# KiCad board TPS.kicad_pcb (continued)
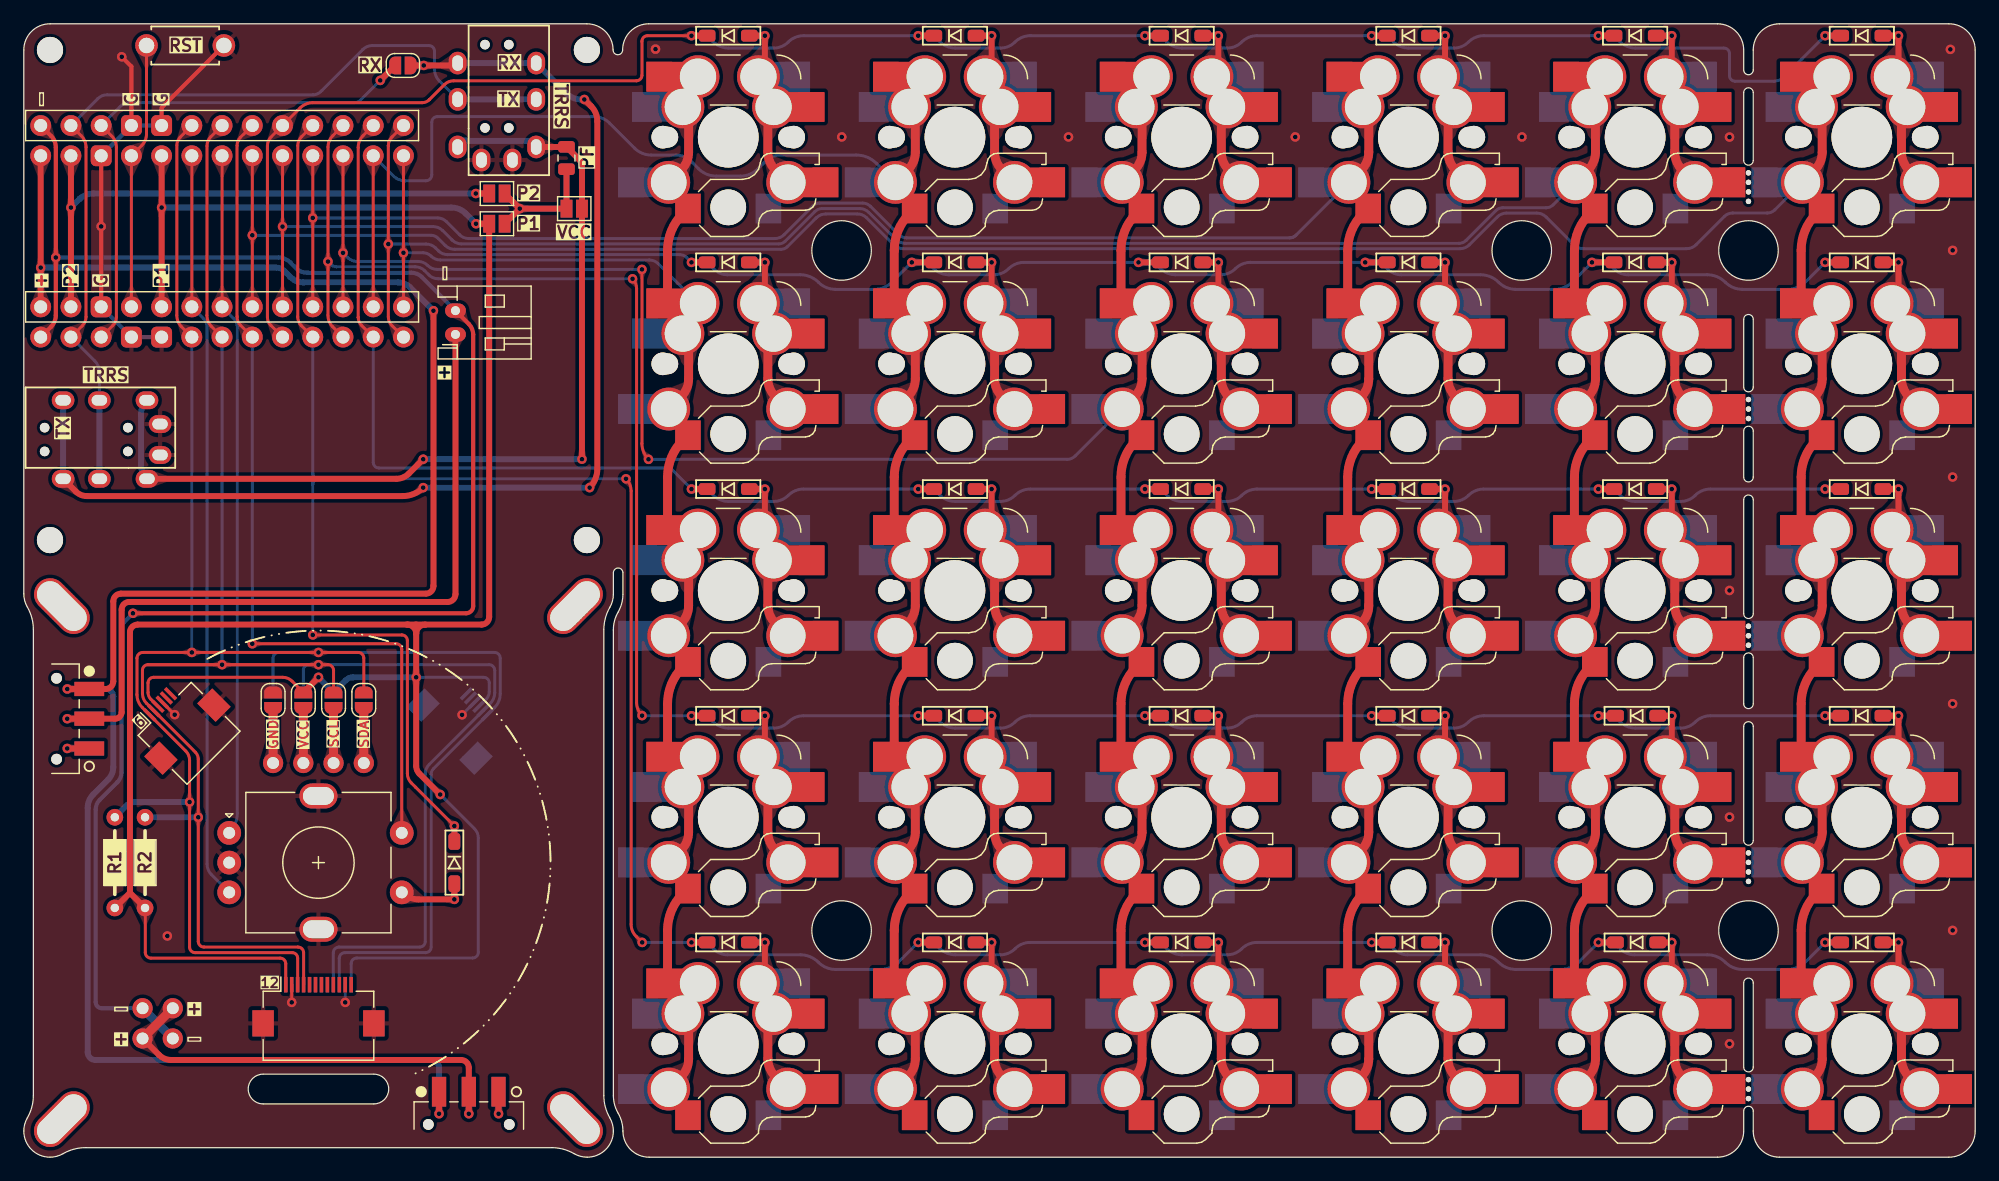
[diagram p0: board, top side]
## Routing (per net, layer and track width the routed paths; a pad name or vN(x,y) marks a point on that pad's centre or on a via; arc(x,y) is an arc through that point)
+3V3: length 229.9
  Top w0.25: J5.3 10.67,38.49 arc(10.5,38.75) 10.44,39.05 10.44,39.86 arc(10.58,40.19) 10.91,40.33 21.76,40.33 arc(22.18,40.25) 22.54,40.01 JP7.2 ; J2.1 22.01,16.26 arc(21.87,16.59) 21.54,16.73 10.68,16.73 arc(10.35,16.87) 10.21,17.2 10.21,20.95
  Top w0.5: 32.97,44 v1(32.97,40.33) 32.97,32.88 arc(33.04,32.53) 33.24,32.23 v1(34.99,30.48) ; 32.97,44 32.97,44.76 ; 32.97,44 arc(32.75,44.54) 32.21,44.76 ; 32.97,44 arc(33.19,44.54) 33.73,44.76 ; 8.92,22.22 8.92,44.11 arc(9.11,44.57) 9.57,44.76 32.21,44.76 ; 8.92,22.22 R1.1 ; 8.92,22.22 R2.1 ; 32.21,44.76 32.97,44.76 ; v1(37.99,78.45) JP1.2 39.1,45.4 arc(38.91,44.95) 38.46,44.76 33.73,44.76 ; JP7.2 v1(24.76,40.33) ; 32.97,44.76 33.73,44.76 ; U1.22 v1(11.58,79.81) U1.22
  Bottom w0.25: v1(34.99,30.48) 37.87,27.6 arc(38.11,27.25) 38.19,26.83 38.19,17.22 arc(38.05,16.88) 37.71,16.74 27.98,16.74 arc(27.65,16.6) 27.51,16.27 J3.1 ; J6.3 38.85,38.49 arc(39.04,38.78) 39.11,39.13 39.11,39.86 arc(38.97,40.19) 38.64,40.33 v1(32.97,40.33)
  Bottom w0.5: 37.99,78.45 v1(37.99,78.45) ; v1(37.99,78.45) JP1.2 ; v1(37.99,78.45) 37.13,79.31 arc(36.58,79.68) 35.93,79.81 v1(11.58,79.81) ; v1(32.97,40.33) 27.67,40.33 arc(27.33,40.26) 27.04,40.07 JP10.2 24.76,40.32 v1(24.76,40.33)
GND: length 45.9
  Top w0.25: J5.4 v1(12.68,37.19) ; J2.2 v1(22.51,13.01)
  Top w0.35: U1.5 11.58,88.2 SW1.1 ; U1.24 v1(6.5,78.22) U1.24 ; v1(8.23,92.48) 9.04,91.67 U1.4
  Bottom w0.25: J3.2 v1(27.01,13.01) ; J6.4 v1(36.82,37.18)
  Bottom w0.35: U1.24 U1.4 U1.5 ; U1.5 U1.4 U1.24
  vias: v1(12.06,18.59) v1(53.08,93.12) v1(68.73,85.74) v1(87.78,85.74) v1(106.83,85.74) v1(125.88,85.74) v1(143.32,85.73) v1(143.32,47.63) v1(143.32,28.58) v1(143.32,9.53) v1(161.88,93.1) v1(162.07,76.21) v1(162.07,57.16) v1(162.07,38.11) v1(162.07,19.06)
VCC: length 21.7
  Top w0.5: v1(41.67,79.72) JP1.1 ; v1(41.67,79.72) JP2.1 ; v1(41.67,79.72) JP15.1 F2.1
  Bottom w0.5: v1(41.67,79.72) JP1.1 ; v1(41.67,79.72) JP2.1 ; v1(41.67,79.72) 41.72,79.67 ; v1(41.67,79.72) JP15.1 F2.1
BAT+: length 179.6
  Top w0.5: v1(3.65,39.35) SW2.1 6.88,39.35 arc(7.33,39.54) 7.52,39.99 7.52,46.71 arc(7.71,47.17) 8.17,47.36 33.78,47.36 arc(34.23,47.55) 34.42,48 v1(34.42,71.14) ; v1(34.89,3.65) SW3.1 ; U1.26 v1(1.42,74.76) U1.26
  Bottom w0.5: v1(3.65,39.35) SW2.1 6.88,39.35 arc(7.33,39.16) 7.52,38.71 7.52,32.77 arc(7.41,32.22) 7.09,31.75 5.83,30.48 arc(5.49,29.97) 5.37,29.37 5.37,8.82 arc(5.56,8.36) 6.02,8.17 34.24,8.17 arc(34.7,7.98) 34.89,7.52 SW3.1 v1(34.89,3.65) ; v1(1.42,74.76) 21.21,74.76 arc(21.58,74.69) 21.89,74.48 22.41,73.96 arc(22.9,73.63) 23.47,73.52 31.45,73.52 arc(31.99,73.41) 32.46,73.1 v1(34.42,71.14)
BAT-: length 150
  Top w0.35: J4.2 37.39,70.03 arc(37.66,69.62) 37.76,69.13 37.76,46.31 arc(37.58,45.89) 37.16,45.71 v1(9.17,45.71) ; U1.1 2.29,69.79 arc(2.59,70.23) 2.69,70.75 v1(2.69,75.61) 2.69,84.86 arc(2.58,85.39) 2.29,85.83 U1.1
  Bottom w0.35: v1(9.17,45.71) 8.46,45 arc(8.28,44.72) 8.21,44.39 8.21,32.34 arc(8.12,31.9) 7.87,31.52 6.37,30.02 arc(6.13,29.65) 6.04,29.22 6.04,13.03 arc(6.19,12.67) 6.55,12.52 J8.1 ; 36.27,71.15 J4.2 33.45,73.97 arc(33.05,74.24) 32.57,74.33 23.82,74.33 arc(23.3,74.43) 22.86,74.73 22.38,75.21 arc(21.93,75.51) 21.41,75.61 v1(2.69,75.61)
  Bottom w0.75: J8.1 J7.2
col0: length 218.8
  Top w0.25: U1.19 v1(19.2,77.48) U1.19
  Top w0.75: K29.1 150.61,41.18 arc(149.67,39.77) 149.34,38.11 K30.1 ; K28.1 149.34,76.21 arc(149.67,77.87) 150.61,79.28 K27.1 ; K31.1 149.34,19.06 arc(149.67,20.72) 150.61,22.13 K30.1 ; K27.1 150.5,82.98 arc(150.95,83.66) 151.11,84.46 151.11,87.11 arc(150.98,87.73) K27.1 ; K31.1 150.5,6.78 arc(150.95,7.46) 151.11,8.26 151.11,10.91 arc(150.98,11.53) K31.1 ; K29.1 149.34,57.16 arc(149.67,58.82) 150.61,60.23 ; K29.1 150.5,44.88 arc(150.95,45.56) 151.11,46.36 151.11,49.01 arc(150.98,49.63) K29.1 ; K30.1 150.5,25.83 arc(150.95,26.51) 151.11,27.31 151.11,29.96 arc(150.98,30.58) 150.63,31.11 ; K28.1 150.5,63.93 arc(150.95,64.61) 151.11,65.41 151.11,68.06 arc(150.98,68.68) K28.1
  Bottom w0.25: K27.1 147.12,79.6 arc(146.84,79.42) 146.51,79.35 143.59,79.35 arc(143.21,79.27) 142.89,79.06 140.51,76.68 arc(140.14,76.44) 139.71,76.35 131.05,76.35 arc(130.61,76.44) 130.25,76.68 127.91,79.01 arc(127.55,79.26) 127.13,79.34 124.58,79.34 arc(124.16,79.26) 123.81,79.02 121.46,76.67 arc(121.1,76.43) 120.69,76.35 73.87,76.35 arc(73.44,76.43) 73.08,76.68 70.81,78.95 arc(70.45,79.19) 70.04,79.27 67.39,79.27 arc(66.95,79.18) 66.57,78.93 64.16,76.52 arc(63.92,76.36) 63.63,76.3 36.19,76.3 arc(35.76,76.38) 35.4,76.63 34.79,77.24 arc(34.53,77.42) 34.22,77.48 v1(19.2,77.48)
col1: length 194.8
  Top w0.25: U1.18 v1(21.74,78.21) U1.18
  Top w0.75: K24.1 130.29,38.11 arc(130.62,39.77) 131.56,41.18 K23.1 ; K24.1 131.45,25.83 arc(131.9,26.51) 132.06,27.31 132.06,29.96 arc(131.93,30.58) 131.58,31.11 ; K22.1 131.45,63.93 arc(131.9,64.61) 132.06,65.41 132.06,68.06 arc(131.93,68.68) K22.1 ; K21.1 131.56,79.28 arc(130.62,77.87) 130.29,76.21 K22.1 ; K26.1 131.45,6.78 arc(131.9,7.46) 132.06,8.26 132.06,10.91 arc(131.93,11.53) K26.1 ; K23.1 131.45,44.88 arc(131.9,45.56) 132.06,46.36 132.06,49.01 arc(131.93,49.63) K23.1 ; K21.1 131.45,82.98 arc(131.9,83.66) 132.06,84.46 132.06,87.11 arc(131.93,87.73) K21.1 ; K26.1 130.29,19.06 arc(130.62,20.72) 131.56,22.13 K24.1 ; K23.1 130.29,57.16 arc(130.62,58.82) 131.56,60.23
  Bottom w0.25: K21.1 128.49,80.03 arc(128.23,79.85) 127.92,79.79 124.26,79.79 arc(123.95,79.73) 123.7,79.56 121.18,77.04 arc(120.91,76.86) 120.6,76.8 74.07,76.8 arc(73.63,76.89) 73.27,77.13 70.98,79.42 arc(70.65,79.64) 70.25,79.72 67.06,79.72 arc(66.74,79.66) 66.48,79.48 63.98,76.98 arc(63.72,76.81) 63.43,76.75 36.79,76.75 arc(36.35,76.84) 35.99,77.08 35.19,77.88 arc(34.83,78.12) 34.4,78.21 v1(21.74,78.21)
col2: length 173.3
  Top w0.25: U1.17 v1(24.28,78.94) U1.17
  Top w0.75: K17.1 112.4,63.93 arc(112.85,64.61) 113.01,65.41 113.01,68.06 arc(112.88,68.68) K17.1 ; K20.1 111.24,19.06 arc(111.57,20.72) 112.51,22.13 K19.1 ; K20.1 112.4,6.78 arc(112.85,7.46) 113.01,8.26 113.01,10.91 arc(112.88,11.53) K20.1 ; K19.1 111.24,38.11 arc(111.57,39.77) 112.51,41.18 K18.1 ; K16.1 112.4,82.98 arc(112.85,83.66) 113.01,84.46 113.01,87.11 arc(112.88,87.73) K16.1 ; K16.1 112.51,79.28 arc(111.57,77.87) 111.24,76.21 K17.1 ; K19.1 112.4,25.83 arc(112.85,26.51) 113.01,27.31 113.01,29.96 arc(112.88,30.58) 112.53,31.11 ; K18.1 112.4,44.88 arc(112.85,45.56) 113.01,46.36 113.01,49.01 arc(112.88,49.63) K18.1 ; K18.1 111.24,57.16 arc(111.57,58.82) 112.51,60.23
  Bottom w0.25: v1(24.28,78.94) 34.76,78.94 arc(35.17,78.86) 35.52,78.62 36.61,77.53 arc(36.97,77.28) 37.4,77.2 63.1,77.2 arc(63.52,77.28) 63.88,77.53 66.31,79.95 arc(66.56,80.12) 66.87,80.18 70.49,80.18 arc(70.84,80.11) 71.14,79.91 73.52,77.53 arc(73.82,77.33) 74.17,77.26 106.33,77.26 106.37,77.26 106.44,77.27 106.51,77.28 106.58,77.3 106.65,77.32 106.71,77.35 106.78,77.39 106.84,77.43 106.89,77.48 106.92,77.5 K16.1
col3: length 164.6
  Top w0.25: 26.82,71.46 v1(26.82,76) 26.82,84.16 ; v1(51.94,74.61) 51.94,59.98 arc(52.08,59.26) v1(52.49,58.65)
  Top w0.75: K15.1 92.19,19.06 arc(92.52,20.72) 93.46,22.13 K14.1 ; K11.1 93.35,82.98 arc(93.8,83.66) 93.96,84.46 93.96,87.11 arc(93.83,87.73) K11.1 ; K11.1 93.46,79.28 arc(92.52,77.87) 92.19,76.21 K12.1 ; K14.1 93.35,25.83 arc(93.8,26.51) 93.96,27.31 93.96,29.96 arc(93.83,30.58) 93.48,31.11 ; K14.1 92.19,38.11 arc(92.52,39.77) 93.46,41.18 K13.1 ; K15.1 93.35,6.78 arc(93.8,7.46) 93.96,8.26 93.96,10.91 arc(93.83,11.53) K15.1 ; K13.1 92.19,57.16 arc(92.52,58.82) 93.46,60.23 ; K12.1 93.35,63.93 arc(93.8,64.61) 93.96,65.41 93.96,68.06 arc(93.83,68.68) K12.1 ; K13.1 93.35,44.88 arc(93.8,45.56) 93.96,46.36 93.96,49.01 arc(93.83,49.63) K13.1
  Bottom w0.25: v1(26.82,76) 27.22,75.6 arc(27.57,75.36) 27.99,75.28 33.13,75.28 arc(33.55,75.2) 33.91,74.95 arc(34.3,74.7) 34.75,74.61 v1(51.94,74.61) ; K12.1 88.34,58.92 arc(88.03,58.72) 87.68,58.65 v1(52.49,58.65)
col4: length 134.2
  Top w0.25: U1.15 U1.15
  Top w0.75: K7.1 74.3,63.93 arc(74.75,64.61) 74.91,65.41 74.91,68.06 arc(74.78,68.68) K7.1 ; K8.1 74.3,44.88 arc(74.75,45.56) 74.91,46.36 74.91,49.01 arc(74.78,49.63) K8.1 ; K9.1 74.41,22.13 arc(73.47,20.72) 73.14,19.06 K10.1 ; K6.1 74.3,82.98 arc(74.75,83.66) 74.91,84.46 74.91,87.11 arc(74.78,87.73) K6.1 ; K8.1 73.14,57.16 arc(73.47,58.82) 74.41,60.23 ; K8.1 74.41,41.18 arc(73.47,39.77) 73.14,38.11 K9.1 ; K7.1 73.14,76.21 arc(73.47,77.87) 74.41,79.28 K6.1 ; K10.1 74.3,6.78 arc(74.75,7.46) 74.91,8.26 74.91,10.91 arc(74.78,11.53) K10.1 ; K9.1 74.3,25.83 arc(74.75,26.51) 74.91,27.31 74.91,29.96 arc(74.78,30.58) 74.43,31.11
  Bottom w0.25: U1.15 31.05,82.47 arc(31.5,82.17) 32.04,82.06 33.8,82.06 arc(34.14,82.2) 34.28,82.54 34.28,86.98 arc(34.42,87.31) 34.75,87.45 47.92,87.45 arc(48.61,87.31) 49.2,86.92 51.33,84.79 arc(51.96,84.37) 52.71,84.22 54.82,84.22 arc(55.48,84.09) 56.05,83.71 56.69,83.07 arc(57.38,82.61) 58.19,82.45 60.21,82.45 arc(61,82.61) 61.67,83.06 62.33,83.71 arc(62.89,84.09) 63.56,84.22 69.96,84.22 arc(70.87,84.04) 71.64,83.52 K6.1
col5: length 107.8
  Top w0.25: 31.9,84.16 U1.14 v1(31.9,76.01) U1.14
  Top w0.75: K3.1 55.25,44.88 arc(55.7,45.56) 55.86,46.36 55.86,49.01 arc(55.73,49.63) K3.1 ; K4.1 55.36,22.13 arc(54.42,20.72) 54.09,19.06 K5.1 ; K4.1 54.09,38.11 arc(54.42,39.77) 55.36,41.18 K3.1 ; K3.1 54.09,57.16 arc(54.42,58.82) 55.36,60.23 K2.1 ; K4.1 55.25,25.83 arc(55.7,26.51) 55.86,27.31 55.86,29.96 arc(55.73,30.58) 55.38,31.11 ; K2.1 55.25,63.93 arc(55.7,64.61) 55.86,65.41 55.86,68.06 arc(55.73,68.68) K2.1 ; K1.1 55.25,82.98 arc(55.7,83.66) 55.86,84.46 55.86,87.11 arc(55.73,87.73) K1.1 ; K5.1 55.25,6.78 arc(55.7,7.46) 55.86,8.26 55.86,10.91 arc(55.73,11.53) K5.1 ; K2.1 54.09,76.21 arc(54.42,77.87) 55.36,79.28
  Bottom w0.25: K2.1 53.32,75.09 arc(52.97,75.32) 52.56,75.4 35,75.4 arc(34.58,75.48) 34.23,75.72 arc(33.91,75.93) 33.53,76.01 v1(31.9,76.01)
col6: length 72.9
  Top w0.25: K25.S1 31.76,42.68 arc(31.62,43.01) 31.29,43.15 v1(19.2,43.15) 19.2,43.28 ; U1.8 18.22,69.9 arc(18,70.23) 17.92,70.62 17.92,85.02 arc(17.99,85.39) 18.2,85.7 U1.8
  Bottom w0.25: U1.8 v1(19.2,43.15)
N/A1: length 3.7
  Top w0.5: v1(3.65,34.35) SW2.3
  Bottom w0.5: SW2.3 v1(3.65,34.35)
N/A2: length 3.7
  Top w0.5: v1(39.89,3.65) SW3.3
  Bottom w0.5: v1(39.89,3.65) SW3.3
RAW: length 49.4
  Top w0.5: U1.25 v1(3.96,79.81) U1.25 ; v1(37.98,80.99) JP2.2
  Bottom w0.5: 39.08,80.99 v1(37.98,80.99) 5.85,80.99 arc(5.22,80.87) 4.68,80.53 3.96,79.81 v1(3.96,79.81)
row0: length 169.5
  Top w0.25: v1(56.1,94.25) 52.41,94.25 arc(52.08,94.11) 51.94,93.78 51.94,90.93 arc(51.8,90.6) 51.47,90.46 36.11,90.46 arc(35.69,90.38) 35.34,90.14 34.07,88.87 arc(33.79,88.68) 33.47,88.62 24.28,88.62 arc(23.71,88.51) 23.22,88.18 U1.9 20.78,85.74 arc(20.55,85.4) 20.47,84.99 20.47,70.6 arc(20.54,70.22) 20.76,69.9 U1.9
  Top w0.5: D21.1 v1(132.3,94.25) ; D6.1 v1(75.15,94.25) ; D27.1 v1(151.35,94.25) ; D11.1 v1(94.2,94.25) ; D16.1 v1(113.25,94.25) ; D1.1 v1(56.1,94.25)
  Bottom w0.25: v1(151.35,94.25) 147.86,90.76 arc(147.48,90.51) 147.04,90.42 143.8,90.42 arc(143.46,90.56) 143.32,90.9 143.32,92.74 arc(143.18,93.07) 142.85,93.21 135.41,93.21 arc(134.71,93.35) 134.12,93.75 D21.1 ; v1(94.2,94.25) 84.57,94.25 arc(83.88,94.11) 83.29,93.72 arc(82.72,93.34) 82.06,93.21 78.26,93.21 arc(77.56,93.35) 76.97,93.75 D6.1 ; D16.1 115.07,93.75 arc(115.66,93.35) 116.36,93.21 120.16,93.21 arc(120.82,93.34) 121.39,93.72 arc(121.98,94.11) 122.67,94.25 v1(132.3,94.25) ; D11.1 96.02,93.75 arc(96.61,93.35) 97.31,93.21 101.11,93.21 arc(101.77,93.34) 102.34,93.72 arc(102.93,94.11) 103.62,94.25 v1(113.25,94.25) ; D1.1 57.92,93.75 arc(58.51,93.35) 59.21,93.21 63.01,93.21 arc(63.67,93.34) 64.24,93.72 arc(64.83,94.11) 65.52,94.25 v1(75.15,94.25) ; 55.88,94.47 v1(56.1,94.25)
  Bottom w0.5: v1(94.2,94.25) D11.1 ; v1(113.25,94.25) D16.1 ; v1(75.15,94.25) D6.1 ; v1(151.35,94.25) D27.1 ; v1(132.3,94.25) D21.1 ; v1(56.1,94.25) D1.1
row1: length 155.1
  Top w0.25: U1.13 30.93,69.89 arc(30.71,70.22) 30.63,70.62 v1(30.63,76.74) 30.63,85 30.63,85 arc(30.71,85.4) 30.93,85.73 U1.13
  Top w0.5: 75.92,75.2 v1(74.61,75.2) ; 114.02,75.2 v1(112.71,75.2) ; 94.97,75.2 v1(93.66,75.2) ; D28.1 v1(151.35,75.2) ; D2.1 v1(56.1,75.2) ; 133.07,75.2 v1(131.76,75.2)
  Bottom w0.25: v1(30.63,76.74) 33.8,76.74 arc(34.23,76.65) 34.6,76.41 34.84,76.17 arc(35.19,75.93) 35.61,75.85 55.12,75.85 arc(55.42,75.79) 55.68,75.62 v1(56.1,75.2) ; 94.97,75.2 95.48,74.7 arc(96.07,74.3) 96.77,74.16 100.57,74.16 arc(101.23,74.29) 101.8,74.67 arc(102.39,75.06) 103.08,75.2 v1(112.71,75.2) ; 114.02,75.2 114.59,74.63 arc(115.11,74.28) 115.73,74.16 122.4,74.16 arc(123.22,74) 123.92,73.53 arc(124.58,73.09) 125.37,72.93 128.61,72.93 arc(129.42,73.09) 130.11,73.56 v1(131.76,75.2) ; 133.07,75.2 133.64,74.63 arc(134.16,74.28) 134.78,74.16 141.45,74.16 arc(142.27,74) 142.97,73.53 arc(143.63,73.09) 144.42,72.93 148.2,72.93 arc(149.01,73.09) 149.7,73.56 v1(151.35,75.2) ; v1(93.66,75.2) 84.03,75.2 arc(83.34,75.06) 82.75,74.67 arc(82.18,74.29) 81.52,74.16 77.72,74.16 arc(77.02,74.3) 76.43,74.7 75.92,75.2 ; v1(74.61,75.2) 72.96,73.56 arc(72.27,73.09) 71.46,72.93 68.22,72.93 arc(67.43,73.09) 66.77,73.53 arc(66.07,74) 65.25,74.16 59.12,74.16 arc(58.5,74.28) 57.98,74.63 D2.1
  Bottom w0.5: v1(56.1,75.2) D2.1 ; v1(151.35,75.2) D28.1 ; v1(74.61,75.2) 75.92,75.2 ; v1(131.76,75.2) 133.07,75.2 ; v1(93.66,75.2) 94.97,75.2 ; v1(112.71,75.2) 114.02,75.2
row2: length 164.6
  Top w0.25: U1.12 28.5,85.84 arc(28.2,85.4) 28.1,84.87 28.1,70.58 arc(28.17,70.21) 28.38,69.9 U1.12
  Top w0.5: D18.1 v1(113.25,56.15) ; D23.1 v1(132.3,56.15) ; D8.1 v1(75.15,56.15) ; D29.1 v1(151.35,56.15) ; D3.1 v1(56.1,56.15) ; D13.1 v1(94.2,56.15)
  Bottom w0.25: D23.1 134.12,55.65 arc(134.71,55.25) 135.41,55.11 139.21,55.11 arc(139.87,55.24) 140.44,55.62 arc(141.03,56.01) 141.72,56.15 v1(151.35,56.15) ; D3.1 57.92,55.65 arc(58.51,55.25) 59.21,55.11 63.01,55.11 arc(63.67,55.24) 64.24,55.62 arc(64.83,56.01) 65.52,56.15 v1(75.15,56.15) ; v1(94.2,56.15) 84.57,56.15 arc(83.88,56.01) 83.29,55.62 arc(82.72,55.24) 82.06,55.11 78.26,55.11 arc(77.56,55.25) 76.97,55.65 D8.1 ; v1(113.25,56.15) 103.62,56.15 arc(102.93,56.01) 102.34,55.62 arc(101.77,55.24) 101.11,55.11 97.31,55.11 arc(96.61,55.25) 96.02,55.65 D13.1 ; v1(132.3,56.15) 122.67,56.15 arc(121.98,56.01) 121.39,55.62 arc(120.82,55.24) 120.16,55.11 116.36,55.11 arc(115.66,55.25) 115.07,55.65 D18.1 ; v1(56.1,56.15) 54.33,57.92 29.84,57.92 arc(29.5,58.06) 29.36,58.4 U1.12
  Bottom w0.5: v1(56.1,56.15) D3.1 ; v1(75.15,56.15) D8.1 ; v1(151.35,56.15) D29.1 ; v1(132.3,56.15) D23.1 ; v1(113.25,56.15) D18.1 ; v1(94.2,56.15) D13.1
row3: length 193.5
  Top w0.25: 26.82,86.7 25.96,85.84 arc(25.66,85.4) 25.56,84.87 v1(25.56,75.27) 25.56,70.74 arc(25.66,70.22) 25.95,69.79 26.82,68.92 ; v1(51.15,73.82) arc(51.4,73.44) 51.49,73 51.49,38.22 arc(51.61,37.62) v1(51.95,37.11)
  Top w0.5: D19.1 v1(113.25,37.1) ; D14.1 v1(94.2,37.1) ; 133.61,37.1 v1(132.3,37.1) ; D30.1 v1(151.35,37.1) ; D9.1 v1(75.15,37.1) ; D4.1 v1(56.1,37.1)
  Bottom w0.25: v1(25.56,75.27) 25.82,75.01 arc(26.02,74.88) 26.25,74.83 32.89,74.83 arc(33.31,74.75) 33.67,74.5 34.03,74.15 arc(34.39,73.9) 34.82,73.82 v1(51.15,73.82) ; D19.1 115.07,36.6 arc(115.66,36.2) 116.36,36.06 120.16,36.06 arc(120.82,36.19) 121.39,36.57 arc(121.98,36.96) 122.67,37.1 v1(132.3,37.1) ; v1(113.25,37.1) 103.62,37.1 arc(102.93,36.96) 102.34,36.57 arc(101.77,36.19) 101.11,36.06 97.31,36.06 arc(96.61,36.2) 96.02,36.6 D14.1 ; 133.61,37.1 134.12,36.6 arc(134.71,36.2) 135.41,36.06 139.21,36.06 arc(139.87,36.19) 140.44,36.57 arc(141.03,36.96) 141.72,37.1 v1(151.35,37.1) ; D9.1 76.97,36.6 arc(77.56,36.2) 78.26,36.06 82.06,36.06 arc(82.72,36.19) 83.29,36.57 arc(83.88,36.96) 84.57,37.1 v1(94.2,37.1) ; v1(51.95,37.11) 51.96,37.1 v1(56.1,37.1) ; D4.1 57.92,36.6 arc(58.51,36.2) 59.21,36.06 63.01,36.06 arc(63.67,36.19) 64.24,36.57 arc(64.83,36.96) 65.52,37.1 v1(75.15,37.1)
  Bottom w0.5: v1(94.2,37.1) D14.1 ; v1(132.3,37.1) 133.61,37.1 ; v1(56.1,37.1) D4.1 ; v1(75.15,37.1) D9.1 ; v1(151.35,37.1) D30.1 ; v1(113.25,37.1) D19.1
row4: length 253
  Top w0.25: U1.10 23.32,69.88 arc(23.1,70.21) 23.02,70.61 23.02,85 arc(23.1,85.41) 23.33,85.75 U1.10 ; v1(36.18,27.84) 32.56,31.46 arc(32.31,31.82) 32.23,32.25 32.23,43.42 arc(32.09,43.75) 31.76,43.89 v1(24.28,43.89) ; v1(51.96,18.05) 51.45,18.56 arc(51.14,19.02) 51.03,19.57 51.03,55.97 arc(50.92,56.54) v1(50.6,57.01)
  Top w0.5: D20.1 v1(113.25,18.05) ; D15.1 v1(94.2,18.05) ; D10.1 v1(75.15,18.05) ; D31.1 v1(151.35,18.05) ; D25.1 v1(36.18,27.84) ; D5.1 v1(56.1,18.05) ; 133.61,18.05 v1(132.3,18.05)
  Bottom w0.25: D20.1 115.13,17.48 arc(115.65,17.13) 116.27,17.01 122.4,17.01 arc(123.22,16.85) 123.92,16.38 arc(124.58,15.94) 125.37,15.78 129.15,15.78 arc(129.96,15.94) 130.65,16.41 v1(132.3,18.05) ; D5.1 57.98,17.48 arc(58.5,17.13) 59.12,17.01 65.25,17.01 arc(66.07,16.85) 66.77,16.38 arc(67.43,15.94) 68.22,15.78 72,15.78 arc(72.81,15.94) 73.5,16.41 v1(75.15,18.05) ; 24.28,56.53 v1(24.28,43.89) ; 24.28,56.53 24.28,57.49 ; 24.28,56.53 arc(24.42,56.87) 24.76,57.01 ; v1(151.35,18.05) 149.7,16.41 arc(149.01,15.94) 148.2,15.78 144.42,15.78 arc(143.63,15.94) 142.97,16.38 arc(142.27,16.85) 141.45,17.01 135.32,17.01 arc(134.7,17.13) 134.18,17.48 133.61,18.05 ; v1(51.96,18.05) v1(56.1,18.05) ; 24.28,57.49 U1.10 ; 24.28,57.49 arc(24.42,57.15) 24.76,57.01 ; D15.1 96.02,17.55 arc(96.61,17.15) 97.31,17.01 101.11,17.01 arc(101.77,17.14) 102.34,17.52 arc(102.93,17.91) 103.62,18.05 v1(113.25,18.05) ; D10.1 76.97,17.55 arc(77.56,17.15) 78.26,17.01 82.06,17.01 arc(82.72,17.14) 83.29,17.52 arc(83.88,17.91) 84.57,18.05 v1(94.2,18.05) ; v1(50.6,57.01) 24.76,57.01
  Bottom w0.5: v1(56.1,18.05) D5.1 ; v1(132.3,18.05) 133.61,18.05 ; v1(75.15,18.05) D10.1 ; v1(151.35,18.05) D31.1 ; v1(113.25,18.05) D20.1 ; v1(94.2,18.05) D15.1 ; v1(36.18,27.84) D25.1
RX: length 47.2
  Top w0.25: U1.3 7.49,69.91 arc(7.7,70.23) 7.78,70.61 7.78,84.87 arc(7.68,85.38) 7.39,85.81 U1.3
  Top w0.5: JP13.1 v1(29.95,90.49)
  Bottom w0.25: v1(29.95,90.49) 28.3,88.85 arc(28.05,88.68) 27.76,88.62 8.89,88.62 arc(8.46,88.54) 8.09,88.29 U1.3
  Bottom w0.5: JP13.1 v1(29.95,90.49)
SCL: length 174.8
  Top w0.25: U1.7 15.71,85.75 arc(15.47,85.39) 15.39,84.98 15.39,70.75 arc(15.49,70.23) 15.78,69.8 U1.7 ; JP6.2 26.03,40.91 arc(25.89,41.25) 25.55,41.39 v1(24.76,41.39) ; J2.4 23.51,17.19 arc(23.37,17.52) 23.04,17.66 15.14,17.66 arc(14.8,17.8) 14.66,18.14 v1(14.66,28.57) 14.66,33.45 arc(14.6,33.77) 14.42,34.04 J5.2 10.32,38.14 arc(10.06,38.52) 9.97,38.98 9.97,40.92 arc(10.11,41.25) 10.44,41.39 v1(16.66,41.39) v1(24.76,41.39) ; v1(24.76,41.39) 10.43,41.39
  Bottom w0.25: JP11.2 23.49,40.91 arc(23.63,41.25) 23.97,41.39 v1(24.76,41.39) 39.09,41.39 arc(39.43,41.25) 39.57,40.91 39.57,39.03 arc(39.47,38.55) 39.2,38.14 J6.2 34.06,33 arc(33.82,32.63) 33.73,32.2 33.73,18.13 arc(33.59,17.8) 33.26,17.66 26.49,17.66 arc(26.15,17.52) 26.01,17.18 J3.4 ; v1(16.66,41.39) U1.7
  Bottom w0.5: v1(14.66,28.57) R2.2
SDA: length 171.9
  Top w0.25: J2.3 23.01,16.73 arc(22.87,17.05) 22.55,17.19 14.4,17.19 arc(14.07,17.33) 13.93,17.66 v1(13.93,29.85) 13.93,33.36 arc(13.84,33.78) 13.61,34.14 J5.1 9.96,37.78 arc(9.63,38.29) 9.51,38.88 9.51,41.93 arc(9.65,42.28) 10,42.42 v1(14.12,42.42) v1(24.76,42.42) 28.1,42.42 arc(28.43,42.28) 28.57,41.95 JP5.2 ; U1.6 13.15,85.73 arc(12.94,85.41) 12.86,85.02 12.86,70.74 arc(12.96,70.22) 13.25,69.79 U1.6
  Bottom w0.25: JP12.2 20.95,41.95 arc(21.08,42.28) 21.42,42.42 v1(24.76,42.42) 39.55,42.42 arc(39.89,42.28) 40.03,41.94 40.03,38.93 arc(39.91,38.31) 39.55,37.79 J6.1 34.43,32.66 arc(34.28,32.44) 34.23,32.18 34.23,17.66 arc(34.09,17.33) 33.76,17.19 26.98,17.19 arc(26.65,17.05) 26.51,16.72 J3.3 ; U1.6 14.12,42.42 ; 14.12,42.42 v1(14.12,42.42) 14.12,42.42
  Bottom w0.5: v1(13.93,29.85) 9.38,29.85 arc(8.97,29.77) 8.61,29.53 R1.2
TX: length 76.4
  Top w0.25: U1.2 4.92,69.88 arc(5.15,70.22) 5.23,70.63 5.23,84.87 arc(5.13,85.39) 4.83,85.83 U1.2
  Bottom w0.25: J9.R1 6.35,65.99 arc(6.25,66.49) 5.97,66.91 U1.2 ; U1.2 6.22,88.96 arc(6.58,89.2) 6.99,89.28 24.3,89.28 arc(24.65,89.35) 24.95,89.55 28.49,93.09 arc(28.85,93.34) 29.28,93.42 34.03,93.42 arc(34.37,93.28) 34.51,92.94 34.51,91.46 arc(34.62,90.89) 34.94,90.41 J10.R1
  Bottom w0.5: J10.R1 J10.R1 ; J9.R1 J9.R1
X/A: length 57.6
  Top w0.25: U1.20 U1.20
  Bottom w0.25: U1.20 17.64,70.48 arc(17.86,70.15) 17.94,69.76 17.94,28.9 arc(17.76,28.01) K25.A
Y/B: length 63.1
  Top w0.25: U1.21 U1.21
  Bottom w0.25: K25.B 15.77,23.74 arc(15.5,24.15) 15.4,24.64 15.4,69.75 arc(15.32,70.15) 15.09,70.49 U1.21
Net-(D1-Pad2): length 13.3
  Top w0.5: 60.96,94.25 v1(62.27,94.25) 62.27,92.11 arc(62.13,91.4) K1.2
  Top w0.75: K1.2 63.14,82.97 arc(62.68,83.66) 62.52,84.48 62.52,87.11 arc(62.64,87.73) K1.2
  Bottom w0.5: v1(62.27,94.25) 60.96,94.25
Net-(D2-Pad2): length 13.3
  Top w0.5: 60.96,75.2 v1(62.27,75.2) 62.27,73.06 arc(62.13,72.35) K2.2
  Top w0.75: K2.2 63.14,63.92 arc(62.68,64.61) 62.52,65.43 62.52,68.06 arc(62.64,68.68) K2.2
  Bottom w0.5: v1(62.27,75.2) 60.96,75.2
Net-(D3-Pad2): length 13.3
  Top w0.5: 60.96,56.15 v1(62.27,56.15) 62.27,54.01 arc(62.13,53.3) K3.2
  Top w0.75: K3.2 63.14,44.87 arc(62.68,45.56) 62.52,46.38 62.52,49.01 arc(62.64,49.63) K3.2
  Bottom w0.5: v1(62.27,56.15) 60.96,56.15
Net-(D4-Pad2): length 13.3
  Top w0.5: 60.96,37.1 v1(62.27,37.1) 62.27,34.96 arc(62.13,34.25) K4.2
  Top w0.75: K4.2 63.14,25.82 arc(62.68,26.51) 62.52,27.33 62.52,29.96 arc(62.64,30.58) 63,31.11
  Bottom w0.5: v1(62.27,37.1) 60.96,37.1
Net-(D5-Pad2): length 13.3
  Top w0.5: 60.96,18.05 v1(62.27,18.05) 62.27,15.91 arc(62.13,15.2) K5.2
  Top w0.75: K5.2 63.14,6.77 arc(62.68,7.46) 62.52,8.28 62.52,10.91 arc(62.64,11.53) K5.2
  Bottom w0.5: v1(62.27,18.05) 60.96,18.05
Net-(D6-Pad2): length 13.3
  Top w0.5: D6.2 v1(81.32,94.25) 81.32,92.11 arc(81.18,91.4) K6.2
  Top w0.75: K6.2 82.19,82.97 arc(81.73,83.66) 81.57,84.48 81.57,87.11 arc(81.69,87.73) K6.2
  Bottom w0.5: v1(81.32,94.25) D6.2
Net-(D7-Pad2): length 13.3
  Top w0.5: D7.2 v1(81.32,75.2) 81.32,73.06 arc(81.18,72.35) K7.2
  Top w0.75: K7.2 82.19,63.92 arc(81.73,64.61) 81.57,65.43 81.57,68.06 arc(81.69,68.68) K7.2
  Bottom w0.5: v1(81.32,75.2) D7.2
Net-(D8-Pad2): length 13.3
  Top w0.5: D8.2 v1(81.32,56.15) 81.32,54.01 arc(81.18,53.3) K8.2
  Top w0.75: K8.2 82.19,44.87 arc(81.73,45.56) 81.57,46.38 81.57,49.01 arc(81.69,49.63) K8.2
  Bottom w0.5: v1(81.32,56.15) D8.2
Net-(D9-Pad2): length 13.3
  Top w0.5: D9.2 v1(81.32,37.1) 81.32,34.96 arc(81.18,34.25) K9.2
  Top w0.75: K9.2 82.19,25.82 arc(81.73,26.51) 81.57,27.33 81.57,29.96 arc(81.69,30.58) 82.05,31.11
  Bottom w0.5: v1(81.32,37.1) D9.2
Net-(D10-Pad2): length 13.3
  Top w0.5: D10.2 v1(81.32,18.05) 81.32,15.91 arc(81.18,15.2) K10.2
  Top w0.75: K10.2 82.19,6.77 arc(81.73,7.46) 81.57,8.28 81.57,10.91 arc(81.69,11.53) K10.2
  Bottom w0.5: v1(81.32,18.05) D10.2
Net-(D11-Pad2): length 13.3
  Top w0.5: D11.2 v1(100.37,94.25) 100.37,92.11 arc(100.23,91.4) K11.2
  Top w0.75: K11.2 101.24,82.97 arc(100.78,83.66) 100.62,84.48 100.62,87.11 arc(100.74,87.73) K11.2
  Bottom w0.5: v1(100.37,94.25) D11.2
Net-(D12-Pad2): length 13.3
  Top w0.5: D12.2 v1(100.37,75.2) 100.37,73.06 arc(100.23,72.35) K12.2
  Top w0.75: K12.2 101.24,63.92 arc(100.78,64.61) 100.62,65.43 100.62,68.06 arc(100.74,68.68) K12.2
  Bottom w0.5: v1(100.37,75.2) D12.2
Net-(D13-Pad2): length 13.3
  Top w0.5: D13.2 v1(100.37,56.15) 100.37,54.01 arc(100.23,53.3) K13.2
  Top w0.75: K13.2 101.24,44.87 arc(100.78,45.56) 100.62,46.38 100.62,49.01 arc(100.74,49.63) K13.2
  Bottom w0.5: v1(100.37,56.15) D13.2
Net-(D14-Pad2): length 13.3
  Top w0.5: D14.2 v1(100.37,37.1) 100.37,34.96 arc(100.23,34.25) K14.2
  Top w0.75: K14.2 101.24,25.82 arc(100.78,26.51) 100.62,27.33 100.62,29.96 arc(100.74,30.58) 101.1,31.11
  Bottom w0.5: v1(100.37,37.1) D14.2
Net-(D15-Pad2): length 13.3
  Top w0.5: D15.2 v1(100.37,18.05) 100.37,15.91 arc(100.23,15.2) K15.2
  Top w0.75: K15.2 101.24,6.77 arc(100.78,7.46) 100.62,8.28 100.62,10.91 arc(100.74,11.53) K15.2
  Bottom w0.5: v1(100.37,18.05) D15.2
Net-(D16-Pad2): length 13.3
  Top w0.5: D16.2 v1(119.42,94.25) 119.42,92.11 arc(119.28,91.4) K16.2
  Top w0.75: K16.2 120.29,82.97 arc(119.83,83.66) 119.67,84.48 119.67,87.11 arc(119.79,87.73) K16.2
  Bottom w0.5: v1(119.42,94.25) D16.2
Net-(D17-Pad2): length 13.3
  Top w0.5: D17.2 v1(119.42,75.2) 119.42,73.06 arc(119.28,72.35) K17.2
  Top w0.75: K17.2 120.29,63.92 arc(119.83,64.61) 119.67,65.43 119.67,68.06 arc(119.79,68.68) K17.2
  Bottom w0.5: v1(119.42,75.2) D17.2
Net-(D18-Pad2): length 13.3
  Top w0.5: D18.2 v1(119.42,56.15) 119.42,54.01 arc(119.28,53.3) K18.2
  Top w0.75: K18.2 120.29,44.87 arc(119.83,45.56) 119.67,46.38 119.67,49.01 arc(119.79,49.63) K18.2
  Bottom w0.5: v1(119.42,56.15) D18.2
Net-(D19-Pad2): length 13.3
  Top w0.5: D19.2 v1(119.42,37.1) 119.42,34.96 arc(119.28,34.25) K19.2
  Top w0.75: K19.2 120.29,25.82 arc(119.83,26.51) 119.67,27.33 119.67,29.96 arc(119.79,30.58) 120.15,31.11
  Bottom w0.5: v1(119.42,37.1) D19.2
Net-(D20-Pad2): length 13.3
  Top w0.5: D20.2 v1(119.42,18.05) 119.42,15.91 arc(119.28,15.2) K20.2
  Top w0.75: K20.2 120.29,6.77 arc(119.83,7.46) 119.67,8.28 119.67,10.91 arc(119.79,11.53) K20.2
  Bottom w0.5: v1(119.42,18.05) D20.2
Net-(D21-Pad2): length 13.3
  Top w0.5: D21.2 v1(138.47,94.25) 138.47,92.11 arc(138.33,91.4) K21.2
  Top w0.75: K21.2 139.34,82.97 arc(138.88,83.66) 138.72,84.48 138.72,87.11 arc(138.84,87.73) K21.2
  Bottom w0.5: v1(138.47,94.25) D21.2
Net-(D22-Pad2): length 13.3
  Top w0.5: D22.2 v1(138.47,75.2) 138.47,73.06 arc(138.33,72.35) K22.2
  Top w0.75: K22.2 139.34,63.92 arc(138.88,64.61) 138.72,65.43 138.72,68.06 arc(138.84,68.68) K22.2
  Bottom w0.5: v1(138.47,75.2) D22.2
Net-(D23-Pad2): length 13.3
  Top w0.5: D23.2 v1(138.47,56.15) 138.47,54.01 arc(138.33,53.3) K23.2
  Top w0.75: K23.2 139.34,44.87 arc(138.88,45.56) 138.72,46.38 138.72,49.01 arc(138.84,49.63) K23.2
  Bottom w0.5: v1(138.47,56.15) D23.2
Net-(D24-Pad2): length 13.3
  Top w0.5: 137.16,37.1 v1(138.47,37.1) 138.47,34.96 arc(138.33,34.25) K24.2
  Top w0.75: K24.2 139.34,25.82 arc(138.88,26.51) 138.72,27.33 138.72,29.96 arc(138.84,30.58) 139.2,31.11
  Bottom w0.5: v1(138.47,37.1) 137.16,37.1
Net-(D25-Pad2): length 7.2
  Top w0.5: D25.2 v1(36.18,21.67) 33.18,21.67 arc(32.41,21.82) K25.S2
  Bottom w0.5: v1(36.18,21.67) D25.2
Net-(D26-Pad2): length 13.3
  Top w0.5: 137.16,18.05 v1(138.47,18.05) 138.47,15.91 arc(138.33,15.2) K26.2
  Top w0.75: K26.2 139.34,6.77 arc(138.88,7.46) 138.72,8.28 138.72,10.91 arc(138.84,11.53) K26.2
  Bottom w0.5: v1(138.47,18.05) 137.16,18.05
Net-(D27-Pad2): length 13.3
  Top w0.5: D27.2 v1(157.52,94.25) 157.52,92.11 arc(157.38,91.4) K27.2
  Top w0.75: K27.2 158.39,82.97 arc(157.93,83.66) 157.77,84.48 157.77,87.11 arc(157.89,87.73) K27.2
  Bottom w0.5: v1(157.52,94.25) D27.2
Net-(D28-Pad2): length 13.3
  Top w0.5: D28.2 v1(157.52,75.2) 157.52,73.06 arc(157.38,72.35) K28.2
  Top w0.75: K28.2 158.39,63.92 arc(157.93,64.61) 157.77,65.43 157.77,68.06 arc(157.89,68.68) K28.2
  Bottom w0.5: v1(157.52,75.2) D28.2
Net-(D29-Pad2): length 13.3
  Top w0.5: D29.2 v1(157.52,56.15) 157.52,54.01 arc(157.38,53.3) K29.2
  Top w0.75: K29.2 158.39,44.87 arc(157.93,45.56) 157.77,46.38 157.77,49.01 arc(157.89,49.63) K29.2
  Bottom w0.5: v1(157.52,56.15) D29.2
Net-(D30-Pad2): length 13.3
  Top w0.5: D30.2 v1(157.52,37.1) 157.52,34.96 arc(157.38,34.25) K30.2
  Top w0.75: K30.2 158.39,25.82 arc(157.93,26.51) 157.77,27.33 157.77,29.96 arc(157.89,30.58) 158.25,31.11
  Bottom w0.5: v1(157.52,37.1) D30.2
Net-(D31-Pad2): length 13.3
  Top w0.5: D31.2 v1(157.52,18.05) 157.52,15.91 arc(157.38,15.2) K31.2
  Top w0.75: K31.2 158.39,6.77 arc(157.93,7.46) 157.77,8.28 157.77,10.91 arc(157.89,11.53) K31.2
  Bottom w0.5: v1(157.52,18.05) D31.2
Net-(J1-Pin_1): length 9.3
  Top w0.75: 28.57,37.76 J1.1
  Bottom w0.75: 28.57,37.76 J1.1
Net-(J1-Pin_2): length 9.3
  Top w0.75: 26.03,37.76 J1.2
  Bottom w0.75: 26.03,37.76 J1.2
Net-(J1-Pin_3): length 9.3
  Top w0.75: 23.49,37.76 J1.3
  Bottom w0.75: 23.49,37.76 J1.3
Net-(J1-Pin_4): length 9.3
  Top w0.75: 20.95,37.76 J1.4
  Bottom w0.75: 20.95,37.76 J1.4
Net-(J4-Pin_1): length 66
  Top w0.5: v1(3.65,36.85) SW2.2 7.67,36.85 arc(8.06,37.01) 8.22,37.4 8.22,46.02 arc(8.41,46.47) 8.86,46.66 35.61,46.66 arc(36.08,46.85) 36.27,47.32 J4.1
  Bottom w0.5: SW2.2 v1(3.65,36.85)
Net-(J7-Pin_1): length 37.8
  Top w0.5: v1(37.39,3.65) SW3.2 37.39,7.52 arc(37.2,7.98) 36.74,8.17 12.39,8.17 arc(11.83,8.28) 11.36,8.6 J7.1
  Top w0.75: J7.1 J8.2
  Bottom w0.5: SW3.2 v1(37.39,3.65)
Net-(JP13-B): length 101.7
  Top w0.5: JP13.2 v1(33.6,91.75) 33.63,91.75 35.97,91.75 arc(36.23,91.8) J10.R2 ; v1(47.1,88.89) 47.67,88.32 arc(48.05,87.74) 48.19,87.07 48.19,57.84 arc(48.02,56.99) v1(47.54,56.27) ; J9.R2 4.37,55.95 arc(4.8,55.66) 5.3,55.56 31.84,55.56 arc(32.77,55.74) v1(33.56,56.27)
  Bottom w0.5: v1(47.54,56.27) v1(33.56,56.27) ; JP13.2 v1(33.6,91.75) ; J10.R2 J10.R2 45.61,89.39 arc(46.16,89.02) 46.82,88.89 v1(47.1,88.89) ; J9.R2 J9.R2
Net-(JP15-B): length 89.1
  Top w0.5: J10.T 45.59,84.9 F2.2 46.65,83.86 arc(46.83,83.58) 46.9,83.25 JP15.2 v1(46.9,58.66) ; 10.35,57.01 31.3,57.01 arc(31.86,57.12) 32.34,57.44 v1(33.56,58.66)
  Bottom w0.25: 35.99,85.11 arc(36.51,85.46) 37.13,85.58
  Bottom w0.5: JP15.2 46.9,83.25 arc(46.83,83.58) 46.64,83.86 F2.2 45.59,84.9 J10.T 42.54,85.41 36.96,85.41 ; v1(33.56,58.66) v1(46.9,58.66) ; 10.35,63.61 arc(9.98,63.06) 9.85,62.4 9.85,58.22 arc(9.98,57.57) 10.35,57.01
Net-(U1-RST): length 22.4
  Top w0.25: U1.23 U1.23 9.91,85.03 arc(10.21,85.47) 10.31,85.99 SW1.2

## Copper pours and planes (outline as drawn; the poured copper is in the pictures)
GND on Top, Bottom: -3.61,97.42 -3.61,-2.97 167.76,-3.2 168.17,97.3

Small or netless copper shapes (teardrops, artwork), in the pictures only: 386 on Top, 192 on Bottom

## Text on the board
B.Silkscreen: - | +
F.Silkscreen: - | +
